# Altium PCB STeaMi-VerB1.PcbDoc (part 3 of 5) (continued)
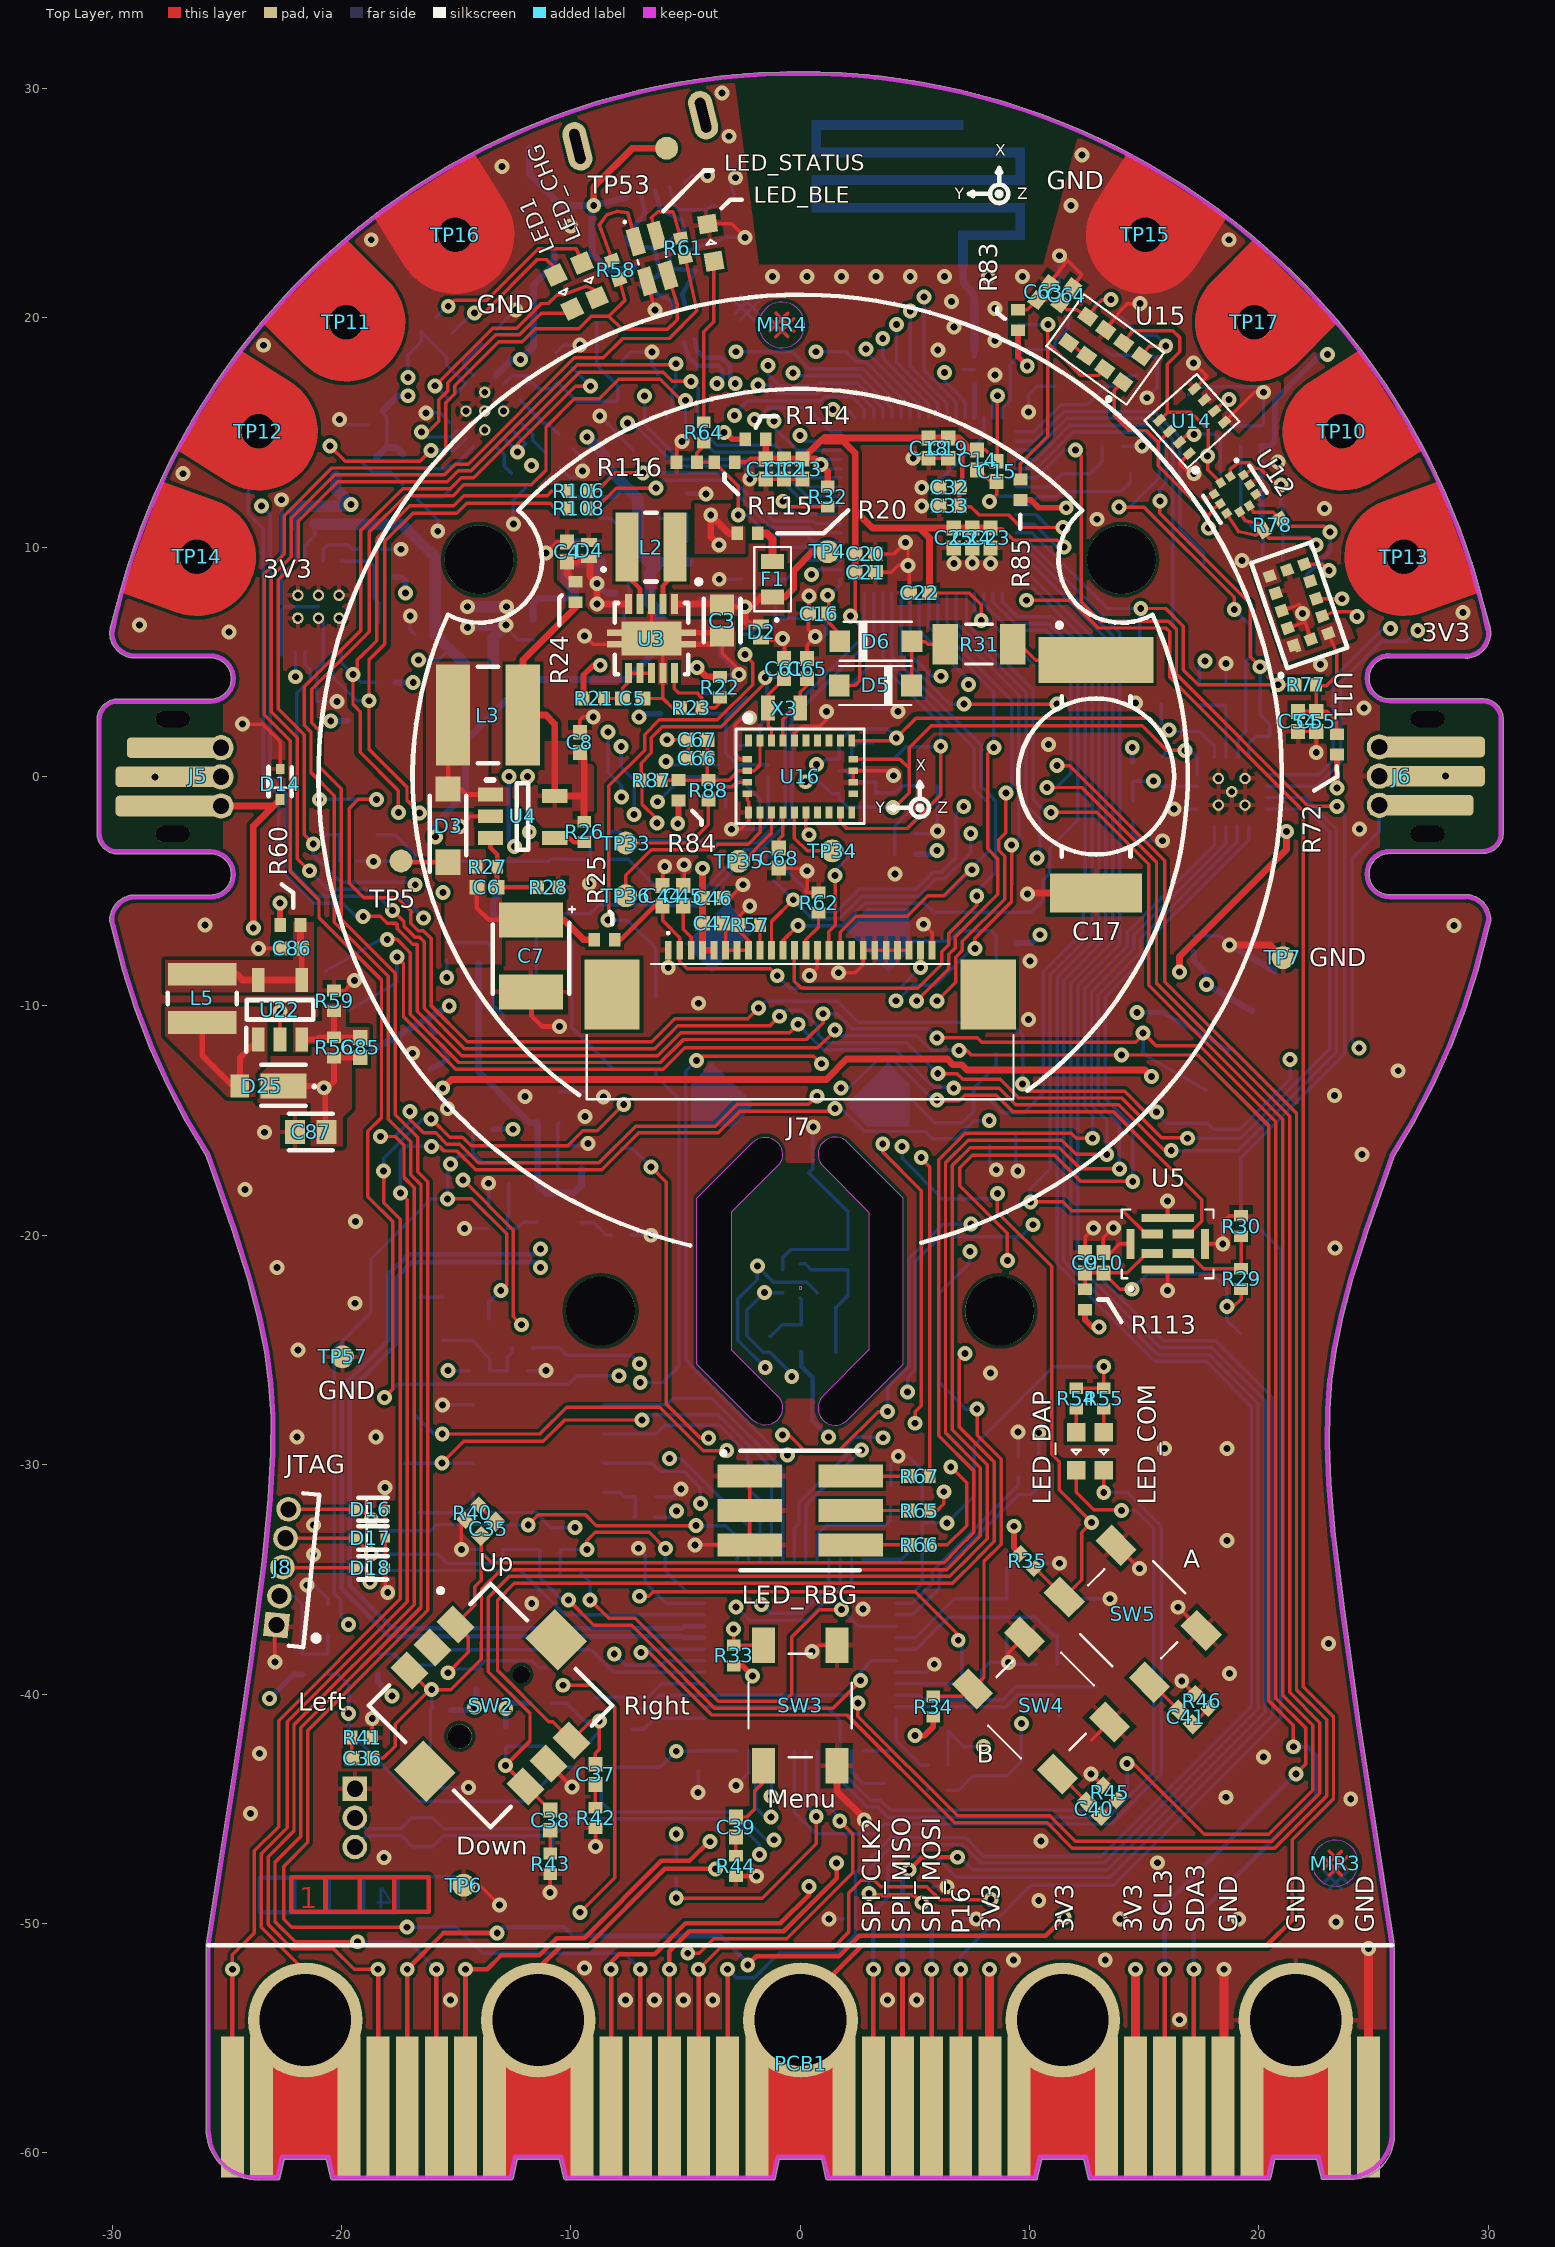
[diagram p0: Top Layer view]
## Nets (pads, with @x,y where several pads share a name; then routed paths per layer and width w, separated by ;. In a path a pad name is that pad's centre, name@x,y a point inside that pad or via, vN(x,y) a via of type N, cw(c..) or ccw(c..) an arc to the next point about the centre after c; other vN are vias at no path point) (continued)
  Mid-Layer 1 w0.15: v1(-17.514,-1.574) -16.967,-1.026 -9.511,-1.026 -8.343,0.142 -7.036,0.142 -6.522,0.656 v1(-5.85,0.656) 0.572,0.656 v1(0.708,0.52) 1.41,-0.182 1.41,-2.95 0.925,-3.435 -0.185,-3.435 -1.176,-4.425 -1.176,-6.533 -2.423,-7.78 -2.423,-12.981 -0.136,-15.267 -0.136,-17.147 -1.176,-18.186 -1.176,-22.116 v1(-1.559,-22.5) ; v1(-1.27,-45.367) -1.028,-45.367 -0.665,-45.003 -0.665,-37.215 0.334,-36.216 0.334,-26.863 v1(-0.366,-26.162) ; v1(16.071,2.032) 16.364,2.325 16.364,5.243 17.217,6.096 22.358,6.096 23.622,7.36 v1(23.622,7.747) 22.417,7.747 19.336,10.829 v1(17.795,10.829)
  Bottom Layer w0.15: U2.1@-20,5.425 -20,4.95 v1(-19.494,4.444) -19.15,4.1 R16.1@-18.545,4.1 ; v1(-5.85,0.656) -5.694,0.5 U10.14@-3.6,0.5 ; U17.22@-1.75,-42.48 -1.75,-43.487 -1.929,-43.665 -1.929,-44.953 -1.515,-45.367 v1(-1.27,-45.367) ; U13.4@-0.75,-22.5 v1(-1.559,-22.5) -2.324,-23.264 -2.324,-24.379 -1.603,-25.1 -1.315,-25.1 -0.366,-26.049 v1(-0.366,-26.162) ; v1(0.708,0.52) 0.913,0.52 1.143,0.75 U9.4@1.7,0.75 1.7,1.513 2.275,2.087 3.789,2.087 v1(4.191,1.685) ; TP25.1@15.748,3.175 15.748,2.355 v1(16.071,2.032) 16.143,1.96 17.422,1.96 18.064,1.318 U8.5@18.064,0.834
I2C3_SCL_EDGE: D23.K J3.4 J4.4 PCB1.P19 U6.9 | length 153.6
  Top Layer w0.15: v1(-18,-7.1) -17.576,-7.1 -16.992,-7.684 -16.992,-10.358 -14.882,-12.469 -6.091,-12.469 -5.088,-11.465 0.268,-11.465 1.003,-10.731 v1(1.003,-10.342) ; v1(5.969,-11.392) 7.725,-11.392 7.91,-11.577 14.621,-11.577 14.953,-11.246 v1(14.953,-11.176) 15.512,-11.735 17.414,-11.735 20.737,-15.059 20.737,-40.179 22.05,-41.492 22.05,-43.045 v1(21.607,-43.488)
  Top Layer w0.2: PCB1.P19@15.89,-58 v1(15.89,-52)
  Mid-Layer 1 w0.15: v1(-18,-7.1) -18.826,-7.1 -19.6,-6.326 -19.6,-5.868 -19.497,-5.766 -19.497,-0.442 -22.119,2.18 -22.264,2.18 -22.9,2.815 -22.9,8.651 -20.551,11 -19.2,11 -18.515,11.685 -9.453,11.685 -7.747,13.391 -7.747,15.19 v1(-7.533,15.404)
  Bottom Layer w0.15: J4.4@-20.683,-8.477 -18.298,-7.1 v1(-18,-7.1) ; v1@-7.57,15.404 v1(-7.533,15.404) -7.28,15.404 -5.411,13.535 -1.44,13.535 0.275,11.82 U6.9@1.78,11.82 ; v1(1.003,-10.342) 1.604,-10.342 2.267,-11.006 5.583,-11.006 v1(5.969,-11.392) ; v1(14.953,-11.176) 14.953,-11.958 14.914,-11.996 15.1,-12.182 J3.4@17.682,-13.673
  Bottom Layer w0.2: PCB1.P19@15.89,-58 v1(15.89,-52) D23.K@15.89,-49.8 15.89,-49.205 v1(21.607,-43.488)
I2C3_SDA_EDGE: D11.K J3.3 J4.3 PCB1.P20 U6.10 | length 158.1
  Top Layer w0.15: v1(-17.58,-7.874) -17.292,-8.162 -17.292,-10.482 -15.006,-12.769 -5.967,-12.769 -5.027,-11.829 0.772,-11.829 1.524,-11.077 v1(1.524,-11.049) ; v1(6.923,-11.942) 7.251,-11.942 7.45,-12.141 v1(14,-12.141) 17.341,-12.141 20.437,-15.237 20.437,-40.303 21.5,-41.366 v1(21.5,-42.3)
  Top Layer w0.2: PCB1.P20@17.16,-58 v1(17.16,-52)
  Mid-Layer 1 w0.15: v1(-17.58,-7.874) -18.476,-7.874 -19.9,-6.45 -19.9,-5.744 -19.797,-5.641 -19.797,-0.566 -22.243,1.88 -22.388,1.88 -23.2,2.691 -23.2,8.776 -20.676,11.3 -19.362,11.3 -18.677,11.985 -9.578,11.985 -8.155,13.407 -8.155,15.97 -7.54,16.585 v1(-6.784,16.585)
  Mid-Layer 1 w0.2: v1(14,-12.141) 14,-10.967 v1(14.684,-10.283)
  Bottom Layer w0.15: J4.3@-19.683,-10.209 -17.713,-9.072 -17.58,-8.939 v1(-17.58,-7.874) ; v1(-6.784,16.585) -6.784,15.332 -5.287,13.835 -1.316,13.835 0.299,12.22 U6.10@1.78,12.22 ; v1(1.524,-11.049) 1.781,-11.306 5.084,-11.306 5.72,-11.942 v1(6.923,-11.942) ; v1(6.923,-11.942) 6.923,-11.934 6.927,-11.938 v1(6.923,-11.942)
  Bottom Layer w0.2: v1(14.684,-10.283) 15.81,-10.283 J3.3@18.682,-11.941 ; PCB1.P20@17.16,-58 v1(17.16,-52) D11.K@17.16,-49.8 22.5,-44.46 22.5,-42.68 22.12,-42.3 v1(21.5,-42.3)
INT_ACC: R76.1 R87.1 TP28.1 U6.2 U10.4 U16.11 | length 31.9
  Top Layer w0.15: v1(-6.24,-2.024) -6.24,-1.873 -6.895,-1.217 -6.895,-0.191 R87.1@-6.927,-0.159 -6.927,0.583 -6.484,1.026 -6.484,1.694 -6.013,2.165 -3.447,2.165 -1.524,4.088 v1(-1.524,4.318) ; U16.11@0.25,-1.563 0.25,-2.409 v1(0.381,-2.54)
  Mid-Layer 1 w0.15: v1(-6.24,-2.024) -4.432,-0.216 -0.951,-0.216 0.381,-1.548 v1(0.381,-2.54) ; v1(-1.524,4.318) -0.774,4.318 -0.197,4.895 -0.197,8.103 v1(0.5,8.8)
  Bottom Layer w0.15: U10.4@-1.75,1.35 -1.75,2.233 -1.46,2.523 R76.1@-1.46,3.429 -1.46,4.254 v1(-1.524,4.318) -0.528,4.318 TP28.1@-0.254,4.592 ; v1(0.5,8.8) 0.72,9.02 U6.2@1.78,9.02
INT_DIST: R77.1 TP27.1 U6.46 U11.7 | length 27.5
  Top Layer w0.15: v1(14.847,7.322) 15.932,7.322 16.705,6.549 16.705,4.643 17.347,4 v1(20.828,4) R77.1@21.6,4 ; U11.7@21.982,9.261 22.784,9.261 v1(23.058,8.988)
  Mid-Layer 1 w0.15: v1(20.828,4) 22.65,4 24.835,6.185 24.835,8.102 23.949,8.988 v1(23.058,8.988)
  Bottom Layer w0.15: U6.46@9.42,10.62 10.102,10.62 13.4,7.322 v1@14.8,7.322 ; TP27.1@14.8,6 v1@14.8,7.322 ; v1(14.847,7.322) v1@14.8,7.322
INT_MAG: R75.1 TP29.1 U6.62 U9.7 U16.14 | length 24.9
  Top Layer w0.15: U16.14@1.75,-1.562 1.75,-1.985 2.033,-2.267 4.667,-2.267 6.127,-0.807 v1(6.127,1.32)
  Mid-Layer 1 w0.15: v1(6.127,1.32) 5.73,1.717 5.73,3.967 v1(6.132,4.368)
  Bottom Layer w0.15: TP29.1@2.117,3.9 3.001,4.784 3.614,4.784 6.127,2.27 v1(6.127,1.32) 6.095,1.287 R75.1@5.1,1.287 4.605,1.287 4.068,0.75 U9.7@3.3,0.75 ; U6.62@4.8,8 4.8,5.295 5.726,4.368 v1(6.132,4.368) v1@6.148,4.384
MENU_BOUTON: R33.1 SW3.2 TP67.1 U6.15 | length 68.7
  Top Layer w0.15: v1(-6.501,-17.025) -5.834,-17.692 -5.834,-27.358 -4.354,-28.838 v1(-4,-28.838) ; v1(-2.9,-37.17) R33.1@-2.9,-37.875 SW3.2@-1.6,-37.875
  Mid-Layer 1 w0.15: v1(-7.802,1.302) -7.802,3.139 -7.058,3.884 -3.959,3.884 -3.63,4.213 -3.63,5.86 -2.94,6.55 -2.011,6.55 -1.542,7.018 -1.542,12.415 -1.35,12.608 -1.35,15.287 v1(-1.143,15.494) ; v1(-7.239,-1.651) -6.9,-1.99 -6.9,-16.626 v1(-6.501,-17.025) ; v1(-4,-28.838) -4,-29.807 -1.456,-32.351 -1.456,-35.093 -2.23,-35.867 -2.23,-36.86 -2.54,-37.17 v1(-2.9,-37.17)
  Bottom Layer w0.15: -7.822,0.425 -7.802,0.406 ; v1(-7.802,1.302) -7.802,0.406 ; TP67.1@-7.771,-16.2 -7.326,-16.2 v1(-6.501,-17.025) ; v1(-7.239,-1.651) -7.239,-0.158 -7.802,0.406 ; v1(-1.143,15.494) -1.143,15.229 -0.134,14.22 U6.15@1.78,14.22
NetANT1_1: ANT1.1 U7.1 | length 4
  Bottom Layer w0.2: U7.1@7.6,18.314 7.6,18.621
  Bottom Layer w0.33: ANT1.1@7.1,22.2 7.1,21.701 ccw(c7.554,21.701) 7.233,21.379 7.392,21.221 cw(c6.89,20.719) 7.6,20.719 7.6,18.621
NetC5_2: C5.2 R21.1 U3.6 U3.7 U3.8 | length 3
  Top Layer w0.15: R21.1@-8.555,3.4 C5.2@-7.74,3.4 -7.74,3.86 -7.482,4.118 U3.6@-7.482,4.502 U3.7@-6.982,4.502 U3.8@-6.482,4.502
NetC6_1: C6.1 R27.1 R28.2 U4.3 | length 4.1
  Top Layer w0.2: U4.3@-13.5,-2.686 -13.5,-3.108 -13.207,-3.401 R27.1@-13.207,-3.937 -13.217,-3.947 C6.1@-13.217,-4.826 R28.2@-11.43,-4.826
NetC8_2: C8.2 L3.1 R24.2 R26.1 U4.5 | length 15
  Top Layer w0.2: R24.2@-9.821,7.579 R24.2@-9.8,7.579
  Top Layer w0.3: R24.2@-9.8,7.579 -9.8,7.37 -12.086,5.084 L3.1@-12.086,2.68 -11.087,2.68 -10.7,2.293 U4.5@-10.7,-0.847 -9.413,-0.847 ; C8.2@-9.6,1.06 -9.413,0.873 -9.413,-0.847 ; R26.1@-9.413,-1.97 -9.425,-1.957 -9.425,-0.86 -9.413,-0.847
NetC9_2: C9.2 C10.2 R29.2 R113.1 TP60.1 U5.1 | length 13.4
  Top Layer w0.15: R113.1@12.422,-22.355 C9.2@12.422,-21.64 C10.2@13.222,-21.64 ; v1(14.467,-22.355) 13.937,-22.355 C10.2@13.222,-21.64 ; U5.1@15.097,-20.8 14.257,-21.64 C10.2@13.222,-21.64 ; v1(18.6,-23.1) 18.907,-23.1 19.222,-22.785 R29.2@19.222,-22.345
  Bottom Layer w0.15: v1(14.467,-22.355) 15.148,-21.674 17.963,-21.674 18.6,-22.311 v1(18.6,-23.1) 18.6,-23.7 TP60.1@19.2,-24.3
NetC11_2: C11.2 C12.2 C13.1 C14.1 C15.1 C18.2 C19.2 C20.2 C21.2 C22.2 C23.2 C24.2 C25.2 C32.2 C33.2 D5.A R32.2 R114.1 R115.2 TP62.1 U6.13 U6.14 U6.30 U6.33 U6.44 U6.45 U6.55 U6.68 | length 71.8
  Top Layer w0.15: D5.A@1.705,3.968 2.391,3.968 2.6,4.177 2.6,6.6 v1(2.2,7) 2.4,7.2 C21.2@2.4,8.9 ; C22.2@5.64,8 7.379,8 7.895,7.484 v1(7.895,6.805) ; C33.2@6.94,11.8 6.98,11.76 7.44,11.76 7.8,11.4 9.1,11.4 9.645,10.855 v1(11.459,10.855) ; C14.1@7.71,14.24 8.068,14.24 C15.1@8.564,13.744 8.595,13.774 v1(8.595,16.6) ; C23.2@8.3,10.84 8.34,10.8 8.8,10.8 9.308,10.291 11.209,10.291 v1(11.5,10)
  Top Layer w0.2: R115.2@-2.855,13.7 -2.312,13.7 -2.172,13.84 C11.2@-1.5,13.84 ; C33.2@6.94,11.8 C32.2@6.94,12.6 7.068,12.728 7.068,14.6
  Top Layer w0.3: R114.1@-1.5,14.7 C11.2@-1.5,13.84 C12.2@-0.7,13.84 C13.1@0.1,13.84 ; 1.1,14.7 0.96,14.7 C13.1@0.1,13.84 ; R32.2@1.2,12.645 1.2,13.3 v1(0.9,13.6) 0.66,13.84 C13.1@0.1,13.84 ; 1.755,14.755 C18.2@5.6,14.755 C19.2@6.46,14.755 6.913,14.755 7.068,14.6 7.428,14.24 C14.1@7.71,14.24 ; 1.81,14.7 2.4,14.11 2.4,11.6 ; C21.2@2.4,8.9 C20.2@2.4,9.7 2.4,11.6 ; C22.2@5.64,8 5.64,10.4 5.2,10.84 ; C23.2@8.3,10.84 C24.2@7.5,10.84 C25.2@6.7,10.84 5.2,10.84 ; 2.4,11.6 3.16,10.84 5.2,10.84
  Top Layer w0.45: 1.1,14.7 1.81,14.7
  Mid-Layer 1 w0.15: v1(6.3,17.62) 6.3,17.068 6.768,16.6 v1(8.595,16.6)
  Bottom Layer w0.15: v1@1.1,13.42 U6.13@1.78,13.42 ; v1@1.1,13.82 U6.14@1.78,13.82 ; v1(2.2,7) 2.4,7.2 U6.68@2.4,8 ; v1(6.3,17.62) 6.3,17.227 6.839,16.688 7.2,16.327 U6.30@7.2,15.64 ; U6.55@7.6,8 7.6,7.2 7.895,6.905 v1(7.895,6.805) 8.242,6.805 TP62.1@10.185,4.863 ; U6.33@8.4,15.64 8.4,16.405 v1(8.595,16.6) ; U6.45@9.42,11.02 9.44,11 10.2,11 11.2,10 v1(11.5,10) ; U6.44@9.42,11.42 10.28,11.42 10.845,10.855 v1(11.459,10.855)
NetC16_2: C16.2 D6.K U6.1 | length 3.3
  Top Layer w0.15: v1(1.2,7.9) 1.2,7.686 1.24,7.726 C16.2@1.24,7.1 1.24,6.712 1.705,6.247 D6.K@1.705,5.9
  Bottom Layer w0.15: v1(1.2,7.9) 1.3,7.9 1.751,8.351 1.751,8.591 U6.1@1.78,8.62
NetC17_1: C17.1 R31.1 | length 3.9
  Top Layer w0.15: R31.1@9.273,5.768 9.58,5.768 10.272,5.075 C17.1@12.9,5.075
NetC26_2: C26.2 U6.35 X1.3 | length 6.3
  Bottom Layer w0.15: U6.35@9.42,15.02 10.189,15.02 11.381,16.212 12.497,16.212 X1.3@13.3,17.015 13.892,17.015 14.346,17.468 C26.2@14.693,17.468
NetC27_2: C27.2 U6.34 X1.1 | length 6.3
  Bottom Layer w0.15: U6.34@8.8,15.64 8.8,16.05 8.823,16.05 9.15,16.377 9.15,17.95 9.815,18.615 X1.1@11.1,18.615 11.1,18.955 11.68,19.535 C27.2@11.68,19.861 ; C27.2@11.68,19.9 C27.2@11.76,19.9
NetC28_2: C28.2 U6.4 X2.2 | length 3.5
  Bottom Layer w0.15: C28.2@-1.66,10 0.32,10 0.5,9.82 U6.4@1.78,9.82
NetC29_2: C29.2 U6.3 X2.1 | length 3.8
  Bottom Layer w0.15: C29.2@-1.66,8.6 -0.603,8.6 0.217,9.42 U6.3@1.78,9.42
NetC34_2: C34.2 L4.1 U6.41 | length 4.9
  Bottom Layer w0.15: U6.41@9.42,12.62 10.848,12.62 11.428,13.2 L4.1@12,13.2 12.613,13.2 13.16,13.747 C34.2@13.16,14.4
NetC35_1: C35.1 R40.2 | length 1
  Top Layer w0.15: R40.2@-13.985,-31.785 -13.985,-31.792 C35.1@-13.289,-32.489
NetC35_2: C35.2 R38.1 SW2.1 TP66.1 U8.16 | length 74.1
  Top Layer w0.15: v1(-15.351,-39.074) -14.462,-38.185 -14.462,-37.522 SW2.1@-15.02,-36.964 -14.191,-36.136 -14.191,-35.317 -13.911,-35.037 -13.911,-33.815 ; C35.2@-13.911,-33.111 -13.911,-33.815 ; v1(12.75,-15.772) 12.037,-15.772 11.815,-15.55 7.195,-15.55 6.034,-16.711 6.034,-28.733 7.558,-30.257 7.558,-32.974 6.813,-33.718 6.813,-33.734 6.274,-34.273 -13.453,-34.273 -13.911,-33.815
  Bottom Layer w0.15: v1(-15.351,-39.074) -15.188,-38.91 R38.1@-14.106,-38.91 -13.752,-38.556 -11.684,-38.556 -11.378,-38.862 TP66.1@-11.115,-38.862 ; v1(12.75,-15.772) 12.75,-14.798 12.4,-14.448 12.4,-9.259 14.25,-7.409 14.25,-6.796 18.064,-2.982 U8.16@18.064,-2.166
NetC36_1: C36.1 R41.2 | length 0.9
  Top Layer w0.15: R41.2@-19.545,-41.9 -19.54,-41.905 C36.1@-19.54,-42.8
NetC36_2: C36.2 R39.1 SW2.3 TP65.1 U8.15 | length 78.6
  Top Layer w0.15: C36.2@-18.66,-42.8 -18.188,-42.8 -17.657,-42.269 -17.657,-41.31 v1@-16.153,-39.806 ; SW2.3@-17.036,-38.98 -16.21,-39.806 v1@-16.153,-39.806 ; v1(13.367,-16.476) 12.037,-16.476 11.411,-15.85 7.319,-15.85 6.334,-16.835 6.334,-28.609 7.858,-30.132 7.858,-33.098 7.113,-33.843 7.113,-33.858 6.398,-34.573 -13.023,-34.573 -13.891,-35.441 -13.891,-37.712 -13.911,-37.732 -13.911,-38.475 -15.241,-39.806 v1(-16.063,-39.806) v1@-16.153,-39.806
  Bottom Layer w0.15: v1(-16.063,-39.806) -16.063,-40.648 R39.1@-16.115,-40.7 -16.115,-42.485 TP65.1@-16,-42.6 ; v1(13.367,-16.476) 13.367,-14.99 12.7,-14.324 12.7,-9.383 14.55,-7.533 14.55,-6.92 18.564,-2.906 U8.15@18.564,-2.166
NetC37_1: C37.1 R42.2 | length 1
  Top Layer w0.15: C37.1@-8.925,-43.94 -8.925,-44.952 R42.2@-8.921,-44.955
NetC37_2: C37.2 R36.1 SW2.4 TP63.1 U8.13 | length 83.6
  Top Layer w0.15: C37.2@-8.925,-43.06 -8.925,-42.586 -8.757,-42.418 v1(-8.757,-41.181) -9.125,-41.181 SW2.4@-9.964,-42.02 -10.785,-41.2 -10.962,-41.2 -13.195,-38.966 -13.195,-35.903 -12.47,-35.178 6.642,-35.178 7.713,-34.107 7.713,-34.091 8.458,-33.347 8.458,-29.884 6.934,-28.361 6.934,-25.412 v1(7.184,-25.162) ; v1(9.034,-21.1) 9.034,-19.906 6.966,-17.837 6.966,-17.052 7.497,-16.521 11.089,-16.521 12.221,-17.653 v1(14.499,-17.653)
  Mid-Layer 1 w0.15: v1(7.184,-25.162) 6.975,-24.952 6.975,-22.585 8.101,-21.459 8.675,-21.459 v1(9.034,-21.1)
  Bottom Layer w0.15: R36.1@-10.885,-40.4 -10.18,-40.4 -9.399,-41.181 v1(-8.757,-41.181) -8.757,-41.65 TP63.1@-9.398,-42.291 ; v1(14.499,-17.653) 14.499,-15.239 14.5,-15.237 13.3,-14.037 13.3,-9.631 15.15,-7.781 15.15,-7.168 19.564,-2.755 U8.13@19.564,-2.166
NetC38_1: C38.1 R43.2 | length 1
  Top Layer w0.15: R43.2@-10.9,-46.955 C38.1@-10.9,-45.94
NetC38_2: C38.2 R37.1 SW2.6 TP64.1 U8.14 | length 79.3
  Top Layer w0.15: SW2.6@-11.98,-44.036 SW2.6@-11.924,-44.036 ; C38.2@-10.9,-45.06 SW2.6@-11.924,-44.036 ; v1(13.917,-17.103) 12.221,-17.103 11.299,-16.181 7.413,-16.181 6.634,-16.959 6.634,-28.485 8.158,-30.008 8.158,-33.222 7.413,-33.967 7.413,-33.983 6.522,-34.873 -12.672,-34.873 -13.591,-35.793 -13.591,-39.023 -11.778,-40.837 -11.778,-42.049 v1(-12.845,-43.115) SW2.6@-11.924,-44.036
  Bottom Layer w0.15: v1(-12.845,-43.115) -12.835,-43.106 R37.1@-12.835,-42.325 -12.784,-42.274 TP64.1@-11.23,-42.274 ; v1(13.917,-17.103) 13.917,-15.116 13,-14.2 13,-9.507 14.85,-7.657 14.85,-7.044 19.064,-2.831 U8.14@19.064,-2.166
NetC39_1: C39.1 R44.2 | length 0.8
  Top Layer w0.15: R44.2@-2.8,-47.055 C39.1@-2.8,-46.24
NetC39_2: C39.2 SW3.1 | length 3
  Top Layer w0.15: C39.2@-2.8,-45.36 -2.335,-45.36 -1.991,-45.016 -1.991,-44.23 -1.6,-43.839 SW3.1@-1.6,-43.125
NetC40_1: C40.1 R45.2 | length 1
  Top Layer w0.15: C40.1@13.111,-45.311 13.118,-45.311 R45.2@13.815,-44.615
NetC40_2: C40.2 SW4.1 | length 1.8
  Top Layer w0.15: SW4.1@11.225,-43.488 11.288,-43.488 C40.2@12.489,-44.689
NetC41_1: C41.1 R46.2 | length 1
  Top Layer w0.15: C41.1@17.111,-41.311 17.118,-41.311 R46.2@17.815,-40.615
NetC41_2: C41.2 SW5.1 | length 1.8
  Top Layer w0.15: SW5.1@15.225,-39.488 15.288,-39.488 C41.2@16.489,-40.689
NetC42_2: C42.2 FB2.1 R47.2 | length 3.2
  Bottom Layer w0.15: FB2.1@-18.464,-2.544 -17.663,-2.544 -16.802,-3.405 C42.2@-16.802,-3.688 R47.2@-15.9,-3.688
NetC43_2: C43.2 R50.1 R51.2 U8.3 | length 11.9
  Mid-Layer 1 w0.15: v1(15.4,-0.2) 16.766,-0.2 17.653,0.687 v1(17.653,5.042)
  Bottom Layer w0.15: C43.2@14.5,-1.06 R50.1@14.5,-0.245 14.545,-0.2 v1(15.4,-0.2) 15.616,-0.416 U8.3@17.314,-0.416 ; R51.2@17.4,3.992 17.4,4.79 v1(17.653,5.042)
NetC45_2: C45.2 J7.3 | length 2.1
  Top Layer w0.15: C45.2@-5.1,-5.64 -5.1,-6.66 -4.75,-7.01 J7.3@-4.75,-7.575
NetC48_2: C48.2 C49.2 R74.1 R76.2 U10.1 U10.5 U10.8 U10.11 U10.12 | length 11.5
  Bottom Layer w0.15: R74.1@-5.19,2.735 C49.2@-4.191,2.735 C48.2@-3.302,2.735 C48.2@-3.044,2.735 ; U10.11@-3.25,-1.35 -3.25,-0.85 U10.12@-3.6,-0.5 -2.9,-0.5 -2.729,-0.329 -2.729,-0.015 -1.893,-0.85 -1.87,-0.85 -1.75,-0.97 U10.8@-1.75,-1.35 ; -2.729,0 -2.729,0.485 ; R76.2@-2.35,3.429 C48.2@-3.044,2.735 ; U10.5@-1.4,0.5 -1.406,0.506 -2.729,0.506 -2.729,0.485 ; C48.2@-3.044,2.735 -3.25,2.529 U10.1@-3.25,1.35 -3.25,1.007 -2.729,0.485
NetC50_2: C50.2 C51.2 C52.2 R73.1 R75.2 U9.3 U9.9 U9.10 | length 8.4
  Bottom Layer w0.15: U9.3@1.7,0.25 1.966,0.25 2.465,-0.25 U9.9@3.3,-0.25 U9.10@3.3,-0.75 3.335,-0.715 4.125,-0.715 4.44,-0.4 C50.2@5.1,-0.4 ; R73.1@4.126,-3.388 C52.2@4.126,-2.505 4.126,-2.174 C51.2@5.1,-1.2 C50.2@5.1,-0.4 ; R75.2@5.1,0.397 C50.2@5.1,-0.4
NetC53_2: C53.2 U9.5 | length 1.5
  Bottom Layer w0.15: U9.5@2.25,0.75 2.258,0.75 2.258,1.222 2.509,1.474 C53.2@3.175,1.474
NetC54_2: C54.2 C55.2 R72.1 R77.2 U11.1 U11.5 U11.11 | length 6.6
  Top Layer w0.15: C54.2@21.7,2.84 C55.2@22.5,2.84 ; U11.11@23.024,6.236 23.4,5.366 23.4,4.405 22.947,3.952 22.538,3.952 R77.2@22.49,4 22.49,2.85 C55.2@22.5,2.84 ; R72.1@23.4,1.845 23.4,2.407 22.967,2.84 C55.2@22.5,2.84
NetC56_2: C56.2 C57.2 R78.2 R79.1 U12.1 U12.5 U12.6 U12.10 | length 14.7
  Top Layer w0.15: U12.5@18.589,11.476 U12.5@18.591,11.473 19.101,10.678 19.847,10.515 R78.2@20.2,10.724 ; U12.1@18.751,13.08 18.751,13.4 19.1,13.67 19.6,13.67 19.812,13.458 19.764,13.428 ; U12.6@19.158,11.535 U12.6@19.16,11.533 19.409,11.145 19.996,11.017 R78.2@20.2,10.724 ; U12.10@19.319,13.142 19.764,13.428 ; v1(20.955,12.7) 20.793,12.7 20.065,13.428 19.764,13.428 ; v1(22.5,10.1) 22.206,10.394 20.419,10.394 R78.2@20.2,10.724
  Bottom Layer w0.15: v1(20.955,12.7) 20.955,11.852 21.035,11.772 R79.1@21.035,11.4 21.04,11.395 C56.2@21.04,10.438 ; C57.2@21.04,9.42 C56.2@21.04,10.435 C56.2@21.04,10.438 ; v1(22.5,10.1) 22.161,10.438 C56.2@21.04,10.438
NetC58_2: C58.2 R81.1 R82.2 U13.1 U13.6 | length 6
  Bottom Layer w0.15: U13.6@0,-21.25 0.226,-21.25 0.476,-21.5 U13.1@0.75,-21.5 C58.2@2.085,-21.5 2.085,-22.627 1.556,-23.156 R82.2@1.556,-23.9 R81.1@1.556,-25.1
NetC59_2: C59.2 C60.2 R80.1 TP45.1 U14.2 U14.6 U14.8 | length 12.8
  Top Layer w0.15: U14.2@16.534,14.566 16.885,14.916 v1(17.171,14.916) ; U14.8@18.495,15.45 19.793,16.749 v1(20.198,16.749)
  Bottom Layer w0.15: TP45.1@16.928,16.637 17.274,16.983 19.964,16.983 v1(20.198,16.749) 20.198,15.38 R80.1@20.11,15.292 20.105,15.287 C60.2@19.2,15.287 18.907,15.287 18.32,14.7 ; v1(17.171,14.916) 18.104,14.916 18.32,14.7 ; C59.2@18.32,13.2 18.32,14.7
NetC61_2: C61.2 U16.27 X3.2 | length 3
  Top Layer w0.15: U16.27@-1.25,1.562 -1.25,2.065 -1.4,2.215 X3.2@-1.4,2.984 -1.4,3.56 C61.2@-0.7,4.26
NetC62_2: C62.2 R86.1 U15.8 | length 4.1
  Top Layer w0.15: U15.8@14.888,18.321 15.217,18.765 v1(15.939,18.765)
  Bottom Layer w0.15: R86.1@13.709,20 14.04,20 C62.2@14.8,19.24 15.524,19.24 15.939,18.826 v1(15.939,18.765)
NetC63_2: C63.2 C64.2 R83.1 R86.2 U15.5 | length 6.2
  Top Layer w0.15: R83.1@9.5,20.345 9.6,20.345 9.906,20.345 C63.2@10.333,20.772 11.189,20.772 C64.2@11.335,20.626 11.617,20.344 12.062,20.344 U15.5@12.538,20.038 12.938,20.562 13.168,20.792 v1(13.55,20.792)
  Bottom Layer w0.15: R86.2@12.819,20 12.819,20.519 13.092,20.792 v1(13.55,20.792)
NetC65_2: C65.2 U16.26 X3.1 | length 3.3
  Top Layer w0.15: U16.26@-0.75,1.562 -0.75,2.492 -0.258,2.984 X3.1@0,2.984 0,3.678 0.3,3.978 C65.2@0.3,4.26
NetC66_2: C66.2 C67.2 R84.1 R87.2 R88.2 U16.3 U16.28 | length 7.4
  Top Layer w0.15: R87.2@-6.037,-0.155 -5,-0.155 R88.2@-4,-0.155 ; C66.2@-4.06,0.8 -4.06,-0.095 R88.2@-4,-0.155 ; C67.2@-4.06,1.6 -4.06,0.897 -4,0.837 C66.2@-4,0.8 ; C67.2@-4.005,1.6 C67.2@-4.005,1.608 ; U16.28@-1.75,1.562 -1.75,0.5 -2,0.25 U16.3@-2.312,0.25 -2.698,0.25 -3.103,-0.155 R88.2@-4,-0.155
NetC68_2: C68.2 U16.9 | length 1.6
  Top Layer w0.15: C68.2@-0.935,-3.117 -0.935,-2.742 -0.75,-2.556 U16.9@-0.75,-1.562
NetC73_2: C73.2 U17.5 X4.3 | length 6.9
  Bottom Layer w0.15: U17.5@4.18,-37.55 5.021,-37.55 6.724,-35.847 X4.3@9,-35.847 8.997,-35.844 C73.2@8.997,-34.483
NetC74_2: C74.2 U17.6 X4.1 | length 9.2
  Bottom Layer w0.15: U17.6@4.18,-38.05 5.063,-38.05 6.466,-36.647 10.248,-36.647 11.048,-37.447 X4.1@11.2,-37.447 C74.2@11.2,-38.697
NetC79_2: C79.2 U19.4 | length 1.5
  Bottom Layer w0.15: U19.4@-9.54,-19.44 -9.527,-19.453 -9,-19.453 -8.453,-20 C79.2@-8.24,-20
NetC80_2: C80.2 C81.2 R111.1 U19.5 | length 3.4
  Bottom Layer w0.15: C81.2@-12.7,-18.719 R111.1@-12.7,-17.745 ; C81.2@-12.699,-18.72 -12.699,-19.139 -12.76,-19.2 C80.2@-12.76,-19.7 -12.33,-19.7 -12.07,-19.44 U19.5@-11.44,-19.44
NetC82_2: C82.2 R112.1 U20.8 | length 2.4
  Bottom Layer w0.15: U20.8@-8.555,-31.205 -7.866,-31.205 -7.671,-31.4 C82.2@-7.181,-31.4 -7.181,-32.252 R112.1@-7.229,-32.3
NetC85_1: C85.1 R56.1 R59.2 U22.3 | length 3.7
  Top Layer w0.254: U22.3@-21.727,-11.471 -21.055,-11.471 -20.955,-11.371 -20.325,-11.371 R56.1@-20.32,-11.366 ; R59.2@-20.32,-10.224 R56.1@-20.32,-11.366 ; C85.1@-19.177,-11.371 -19.182,-11.366 R56.1@-20.32,-11.366
NetC86_2: C86.2 L5.1 R60.2 U22.4 U22.5 | length 6.9
  Top Layer w0.254: U22.4@-21.727,-8.871 C86.2@-21.727,-7.493
  Top Layer w0.3: L5.1@-26.068,-8.621 -24.562,-8.621 -24.312,-8.871 U22.5@-23.627,-8.871 U22.4@-21.727,-8.871 ; R60.2@-21.78,-6.477 -21.78,-7.44 C86.2@-21.727,-7.493
NetD1_1: D1.1 D1.3 J2.3 L1.4 | length 7.3
  Bottom Layer w0.2: J2.3@-6.327,25.548 -6.127,24.743 -5.155,24.245 D1.1@-5.062,23.88 -5.859,23.188 -5.601,22.146 ; -5.6,22.146 D1.3@-4.536,22.054 -5.144,21.012 L1.4@-4.982,20.46
NetD1_4: D1.4 D1.6 J2.2 L1.1 | length 7.7
  Bottom Layer w0.15: -5.585,20.74 L1.1@-5.563,20.662
  Bottom Layer w0.2: J2.2@-6.958,25.392 -6.758,24.587 -7.557,23.553 D1.6@-7.464,23.188 -6.36,23.017 -6.085,21.913 D1.4@-6.938,21.362 -5.585,20.74 ; L1.1@-5.563,20.662 L1.1@-5.464,20.326
NetD1_5: D1.5 FB1.1 J2.1 TP53.1 TP54.1 | length 15.1
  Top Layer w0.3: v1(-9,24.9) -9,25.689 -7.301,27.388 TP53.1@-5.822,27.388
  Bottom Layer w0.3: TP54.1@-11.8,27.4 -11.8,26.259 -10.441,24.9 v1(-9,24.9) ; J2.1@-7.589,25.236 v1(-9,24.9) ; D1.5@-7.201,22.275 -7.377,22.1 -8.375,22.1 FB1.1@-9.075,22.8 -9.075,24.825 v1(-9,24.9) ; v1(-9,24.9) -9.024,24.843 -8.983,24.883 v1(-9,24.9)
NetD3_A: D3.A L3.2 U4.1 | length 5.3
  Top Layer w0.2: L3.2@-15.136,2.68 -15.348,2.467 D3.A@-15.348,-0.542 -14.79,-0.542 -14.546,-0.786 U4.1@-13.5,-0.786
NetD5_K: D5.K D6.A R31.2 | length 3.4
  Top Layer w0.15: D5.K@4.855,3.968 4.855,5.88 5.455,5.88 5.567,5.768 R31.2@6.327,5.768
NetD12_K: D12.K R47.1 R48.2 R49.2 | length 7.1
  Bottom Layer w0.15: R47.1@-15.01,-3.688 -10.985,-3.688 -10.895,-3.598 -10.417,-3.598 D12.K@-10.415,-3.6 R48.2@-9.145,-3.6 R49.2@-9.145,-2.4
NetD13_1: D13.1 FB2.2 J5.1 J6.1 | length 84.9
  Top Layer w0.15: v1(-18.465,-0.996) -19.261,-0.996 -19.661,-1.397 -19.661,-4.648 -19.027,-5.283 -17.561,-5.283 -16.941,-5.903 -16.941,-5.91 -16.971,-5.94 -16.971,-6.396 -16.649,-6.718 -16.431,-6.718 -16.092,-7.056 -16.092,-9.985 -14.509,-11.569 -6.464,-11.569 -5.46,-10.565 -2.286,-10.565 v1(-1.818,-10.097) ; v1(9.7,-13.412) 10.004,-13.716 14.143,-13.716 15.056,-14.629 v1(15.533,-14.629)
  Top Layer w0.2: J6.1@25.251,-1.255 J6.1@27.076,-1.255
  Mid-Layer 1 w0.15: v1(21.361,-12.329) 21.361,-12.196 21.729,-11.829 v1(24.364,-11.829)
  Mid-Layer 1 w0.2: J5.1@-25.25,1.255 -22.502,1.255 -20.947,-0.3 v1(-20.947,-0.996)
  Bottom Layer w0.15: D13.1@-20.073,-3.7 -20.073,-2.667 -20.064,-2.658 FB2.2@-20.064,-2.544 -20.697,-2.544 -20.947,-2.294 v1(-20.947,-0.996) v1(-18.465,-0.996) ; v1(-1.818,-10.097) -1.515,-9.794 0.773,-9.794 0.775,-9.792 1.231,-9.792 1.232,-9.794 1.614,-9.794 2.525,-10.706 9.115,-10.706 9.7,-11.291 v1(9.7,-13.412) ; v1(15.533,-14.629) 15.533,-14.692 15.954,-15.113 17.75,-15.113 18.008,-15.371 19.16,-15.371 21.361,-13.17 v1(21.361,-12.329) ; v1(24.364,-11.829) 24.077,-11.541 24.077,-3.567 25.251,-2.393 25.251,-1.513 24.992,-1.255 J6.1@25.251,-1.255
NetD15_A: D15.A LS1.N T2.3 | length 7.5
  Bottom Layer w0.15: LS1.N@3.6,-14.1 4.871,-14.1 5.867,-15.096 T2.3@6.256,-15.096 7.072,-15.096 7.562,-14.606 7.562,-13.595 8.55,-12.607 D15.A@8.55,-12.075
NetD15_K: D15.K LS1.P R68.1 | length 7.3
  Bottom Layer w0.15: LS1.P@3.6,-6.9 3.886,-7.186 6.47,-7.186 6.925,-6.731 8.307,-6.731 8.551,-6.976 R68.1@8.551,-7.3 8.551,-8.924 D15.K@8.55,-8.925
NetD25_A: D25.A L5.2 U22.1 | length 6
  Top Layer w0.254: L5.2@-26.068,-10.721 -26.068,-12.159 -24.736,-13.491 D25.A@-24.426,-13.491 -24.426,-12.27 U22.1@-23.627,-11.471
NetD26_K: D26.K D27.K R102.2 T4.2 | length 5.6
  Bottom Layer w0.15: D26.K@-15.415,-7.245 -13.657,-7.245 -13.375,-7.527 T4.2@-13.375,-8.15 D27.K@-13.375,-9.525 -13.375,-9.97 -12.954,-10.39 R102.2@-12.954,-10.795
NetD27_A: D27.A U6.27 | length 59.9
  Mid-Layer 1 w0.15: v1(4.2,19.7) 2.994,19.7 2.262,18.968 2.262,18.321 6.477,14.106 6.477,11.159 7.524,10.112 8.697,10.112 9.013,9.796 9.013,6.963 9.308,6.668 9.308,0.872 v1(7.13,-1.306)
  Bottom Layer w0.15: D27.A@-12.625,-9.525 -11.731,-9.525 -11.515,-9.308 -11.515,-6.728 -10.769,-5.982 -9.15,-5.982 -8.756,-5.588 -5.936,-5.588 -5.896,-5.628 -4.465,-5.628 -2.346,-3.51 -1.163,-3.51 0.247,-4.92 0.247,-5.437 0.711,-5.902 1.593,-5.902 2.591,-4.904 5.059,-4.904 5.798,-4.165 6.175,-4.165 6.786,-3.553 6.786,-1.649 v1(7.13,-1.306) ; v1(4.2,19.7) 4.2,18.054 6,16.254 U6.27@6,15.64
NetF1_2: F1.2 R20.1 | length 1.7
  Top Layer w0.35: R20.1@-1.855,10.6 -1.457,10.6 -1.2,10.343 F1.2@-1.2,9.375
NetJ2_4: J2.4 R5.2 | length 2.8
  Bottom Layer w0.15: J2.4@-5.696,25.704 -5.464,24.883 -5.282,24.701 -4.057,24.701 -3.894,24.864 R5.2@-3.68,24.864
NetJ7_9: J7.9 R57.2 | length 1.1
  Top Layer w0.15: J7.9@-1.75,-7.575 R57.2@-1.75,-6.479
NetJ7_13: J7.13 R62.2 | length 1.9
  Top Layer w0.15: J7.13@0.25,-7.575 0.25,-7.125 0.8,-6.575 R62.2@0.8,-5.945
NetL2_1: L2.1 U3.4 | length 3.1
  Top Layer w0.2: L2.1@-7.582,10.38 -7.582,8.777 -6.982,8.178 U3.4@-6.982,7.527
NetL2_2: L2.2 U3.2 | length 3.1
  Top Layer w0.2: U3.2@-5.982,7.527 -5.982,8.318 -5.382,8.918 L2.2@-5.382,10.38
NetL4_2: L4.2 U6.43 | length 5.8
  Bottom Layer w0.15: U6.43@9.42,11.82 9.97,11.82 10.35,12.2 11.175,12.2 11.386,12.411 13.988,12.411 14.4,12.823 L4.2@14.4,13.2